# Altium PCB HIVE_BOARD - 10x10.PcbDoc (part 1 of 4) (continued)
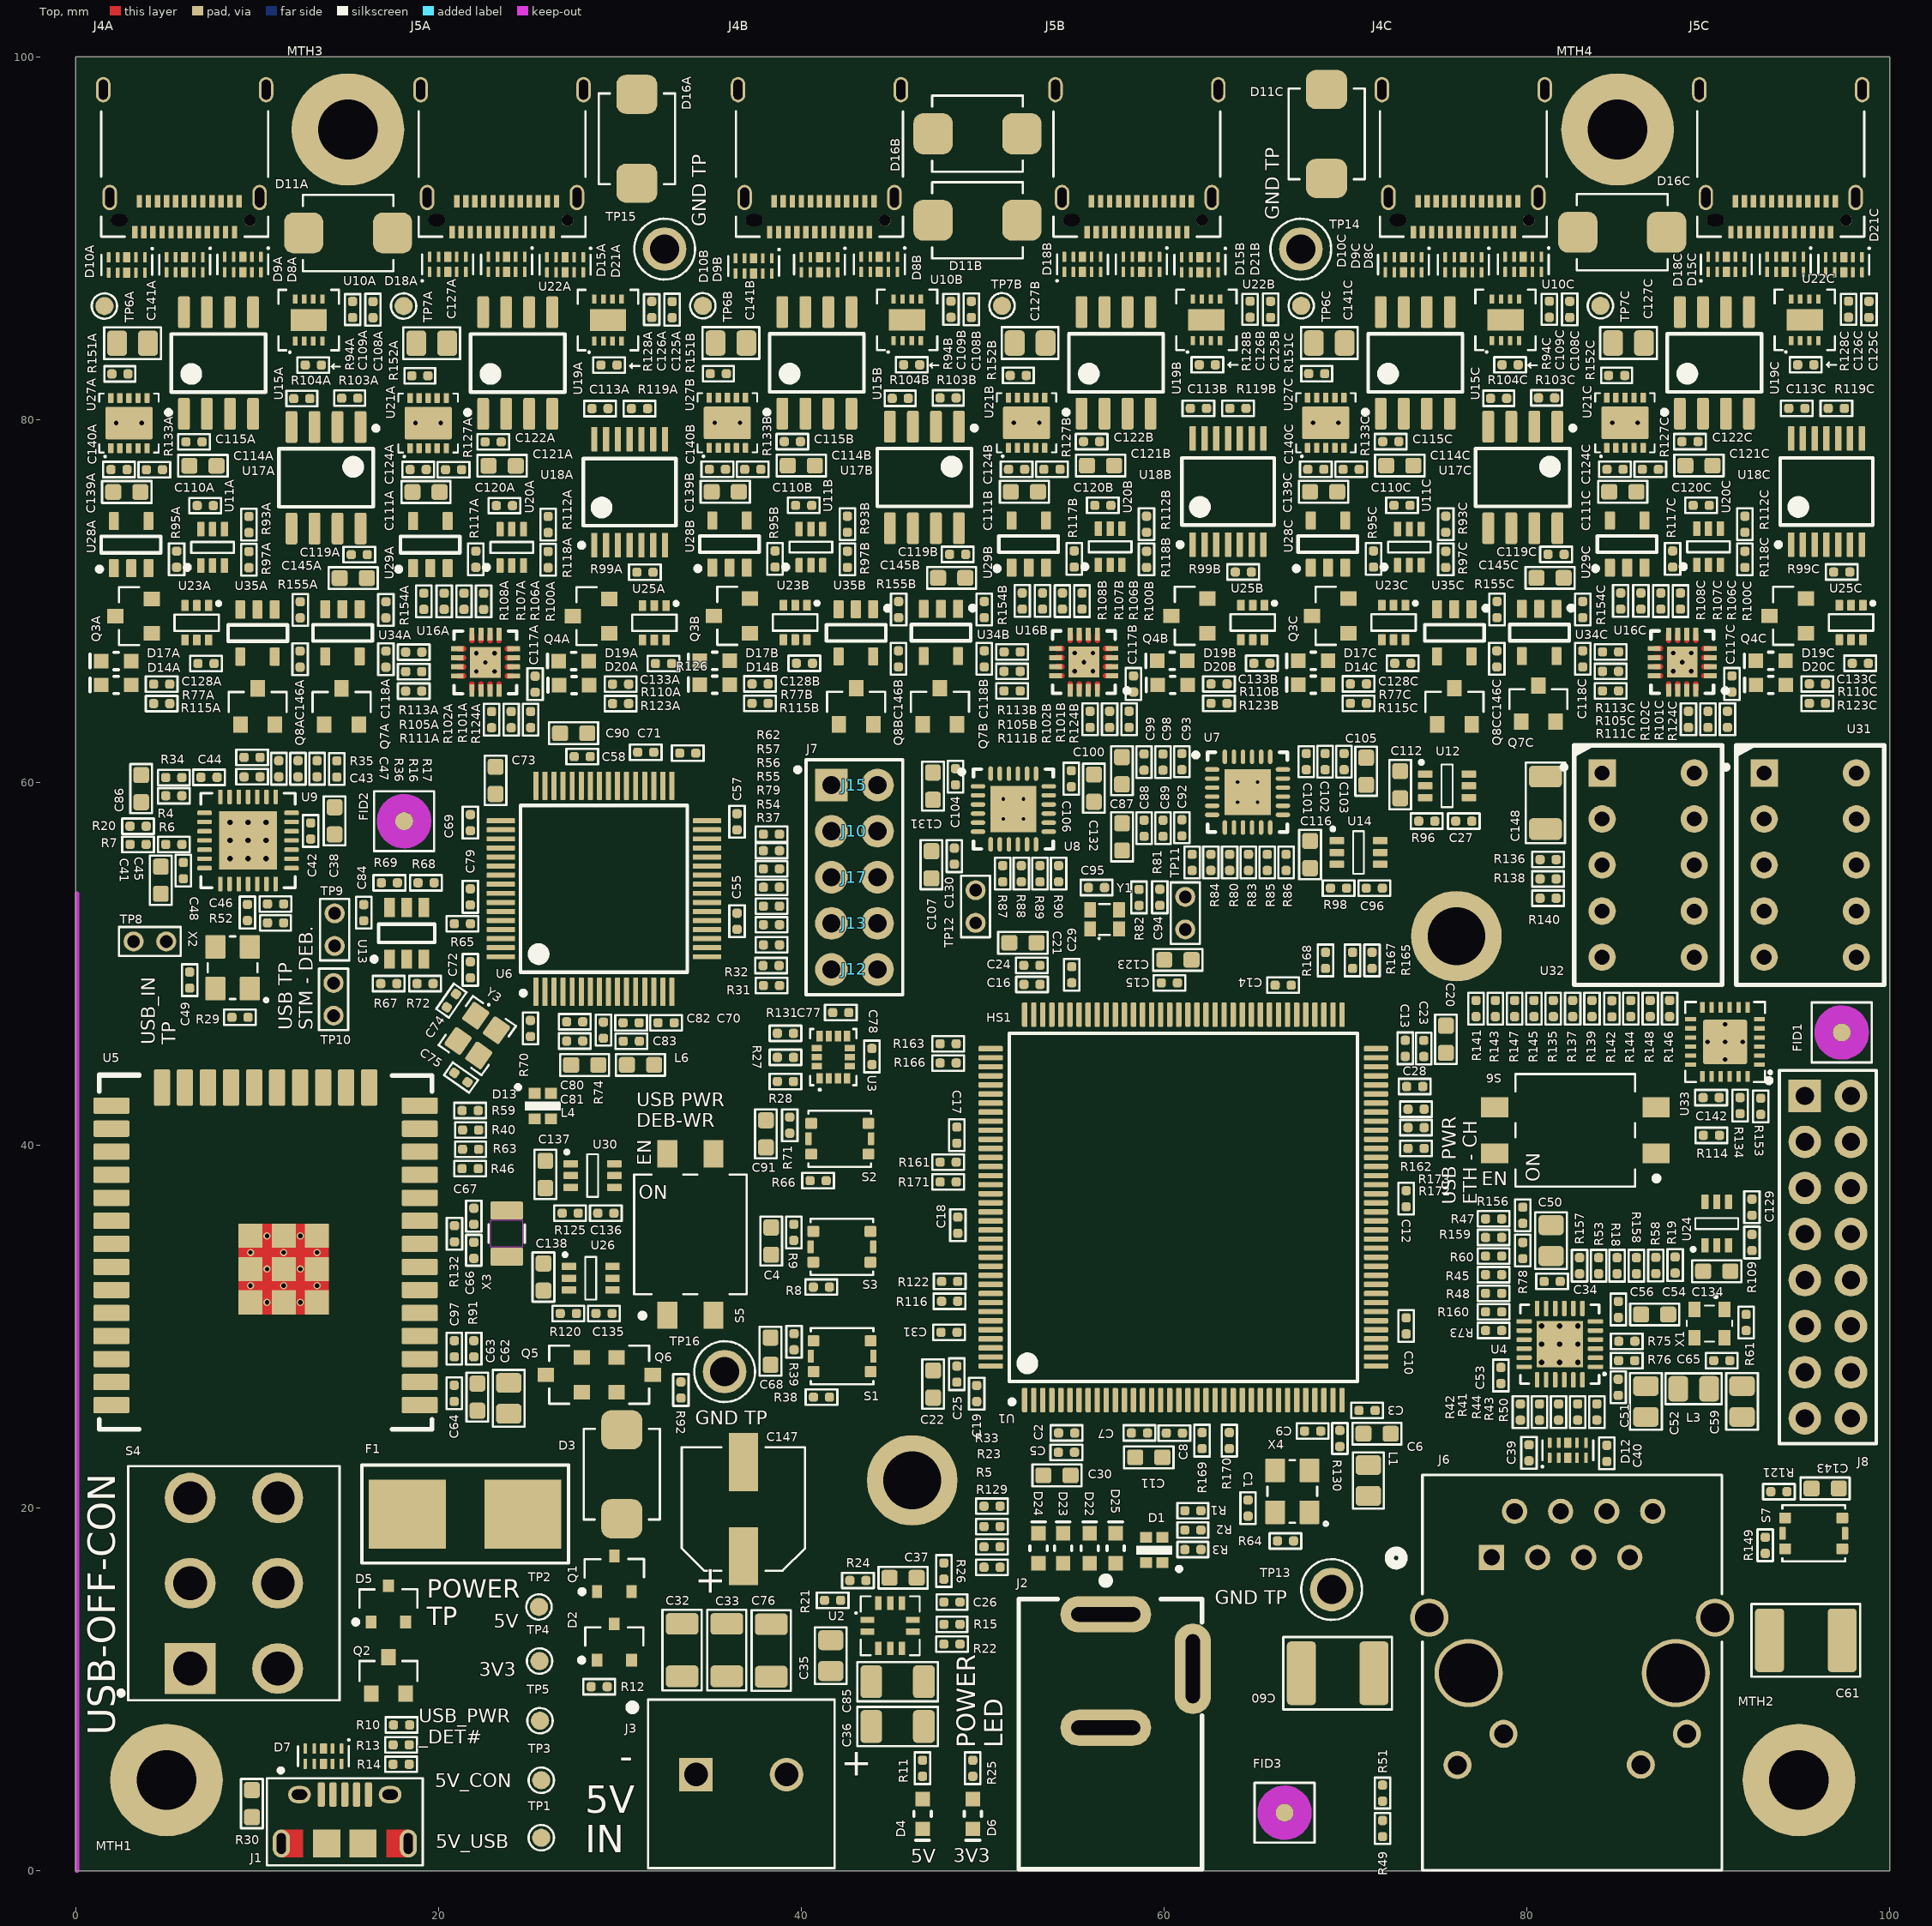
[diagram p0: Top view]
## Classes and differential pairs (continued)
differential pair CLK_1C: +CLK_1C_P -CLK_1C_N
differential pair CLK_1B: +CLK_1B_P -CLK_1B_N
differential pair CLK_1A: +CLK_1A_P -CLK_1A_N
differential pair CLK_0C: +CLK_0C_P -CLK_0C_N
differential pair CLK_0B: +CLK_0B_P -CLK_0B_N
differential pair CLK_0A: +CLK_0A_P -CLK_0A_N
differential pair BB_SPI_MOSI_1C: +BB_SPI_MOSI_1B_P -BB_SPI_MOSI_1B_N
differential pair BB_SPI_MOSI_1B: +BB_SPI_MOSI_1C_P -BB_SPI_MOSI_1C_N
differential pair BB_SPI_MOSI_1A: +BB_SPI_MOSI_1A_P -BB_SPI_MOSI_1A_N
differential pair BB_SPI_MOSI_0C: +BB_SPI_MOSI_0B_P -BB_SPI_MOSI_0B_N
differential pair BB_SPI_MOSI_0B: +BB_SPI_MOSI_0C_P -BB_SPI_MOSI_0C_N
differential pair BB_SPI_MOSI_0A: +BB_SPI_MOSI_0A_P -BB_SPI_MOSI_0A_N
differential pair BB_SPI_MISO_1C: +BB_SPI_MISO_1B_P -BB_SPI_MISO_1B_N
differential pair BB_SPI_MISO_1B: +BB_SPI_MISO_1C_P -BB_SPI_MISO_1C_N
differential pair BB_SPI_MISO_1A: +BB_SPI_MISO_1A_P -BB_SPI_MISO_1A_N
differential pair BB_SPI_MISO_0C: +BB_SPI_MISO_0B_P -BB_SPI_MISO_0B_N
differential pair BB_SPI_MISO_0B: +BB_SPI_MISO_0C_P -BB_SPI_MISO_0C_N
differential pair BB_SPI_MISO_0A: +BB_SPI_MISO_0A_P -BB_SPI_MISO_0A_N
differential pair BB_SPI_CLK_1C: +BB_SPI_CLK_1B_P -BB_SPI_CLK_1B_N
differential pair BB_SPI_CLK_1B: +BB_SPI_CLK_1C_P -BB_SPI_CLK_1C_N
differential pair BB_SPI_CLK_1A: +BB_SPI_CLK_1A_P -BB_SPI_CLK_1A_N
differential pair BB_SPI_CLK_0C: +BB_SPI_CLK_0B_P -BB_SPI_CLK_0B_N
differential pair BB_SPI_CLK_0B: +BB_SPI_CLK_0C_P -BB_SPI_CLK_0C_N
differential pair BB_SPI_CLK_0A: +BB_SPI_CLK_0A_P -BB_SPI_CLK_0A_N
differential pair BB_CLK_1C: +BB_CLK_1B_P -BB_CLK_1B_N
differential pair BB_CLK_1B: +BB_CLK_1C_P -BB_CLK_1C_N
differential pair BB_CLK_1A: +BB_CLK_1A_P -BB_CLK_1A_N
differential pair BB_CLK_0C: +BB_CLK_0B_P -BB_CLK_0B_N
differential pair BB_CLK_0B: +BB_CLK_0C_P -BB_CLK_0C_N
differential pair BB_CLK_0A: +BB_CLK_0A_P -BB_CLK_0A_N
differential pair 32K_X: +32K_X_P -32K_X_N

## Components (designator, comment, footprint, x,y, rotation, side; value= is the part's Value field where it differs from the comment)
C1 "CGA2B3X7R1E104K050BB" CAP_CER_0402#1 64.629,19.994 r270 top value=100nF
C2 "CGA2B3X7R1E104K050BB" CAP_CER_0402#1 54.627,24.136 r180 top value=100nF
C3 "CGA2B3X7R1E104K050BB" CAP_CER_0402#2 71.19,25.373 r180 top value=100nF
C4 "C0603C105K8PACTU" CAP_CER_0603#1 38.338,34.714 r90 top value=1uF
C5 "CGA2B3X7R1E104K050BB" CAP_CER_0402#1 54.614,23.069 r0 top value=100nF
C6 "C0603C105K8PACTU" CAP_CER_0603#2 71.74,24.096 r0 top value=1uF
C7 "CGA2B3X7R1E104K050BB" CAP_CER_0402#1 58.64,24.136 r0 top value=100nF
C8 "CGA2B3X7R1E104K050BB" CAP_CER_0402#1 60.567,24.131 r180 top value=100nF
C9 "CGA2B3X7R1E104K050BB" CAP_CER_0402#1 68.19,24.237 r0 top value=100nF
C10 "CGA2B3X7R1E104K050BB" CAP_CER_0402#1 73.347,30.041 r270 top value=100nF
C11 "CL10A475MA8NQNC" CAP_CER_0603#1 59.156,22.794 r180 top value=4.7uF
C12 "CGA2B3X7R1E104K050BB" CAP_CER_0402#1 73.347,37.052 r270 top value=100nF
C13 "CGA2B3X7R1E104K050BB" CAP_CER_0402#1 73.296,45.342 r90 top value=100nF
C14 "CGA2B3X7R1E104K050BB" CAP_CER_0402#2 66.565,48.825 r180 top value=100nF
C15 "CGA2B3X7R1E104K050BB" CAP_CER_0402#1 60.291,48.952 r0 top value=100nF
C16 "CGA2B3X7R1E104K050BB" CAP_CER_0402#1 52.715,48.866 r180 top value=100nF
C17 "CGA2B3X7R1E104K050BB" CAP_CER_0402#1 48.574,40.557 r90 top value=100nF
C18 "CGA2B3X7R1E104K050BB" CAP_CER_0402#1 48.625,35.591 r90 top value=100nF
C19 "CGA2B3X7R1E104K050BB" CAP_CER_0402#2 49.666,26.308 r270 top value=100nF
C20 "CL10A475MA8NQNC" CAP_CER_0603#1 75.538,45.842 r270 top value=4.7uF
C21 "CL10A475MA8NQNC" CAP_CER_0603#1 52.214,51.161 r0 top value=4.7uF
C22 "CL10A475MA8NQNC" CAP_CER_0603#1 47.267,26.833 r90 top value=4.7uF
C23 "CGA2B3X7R1E104K050BB" CAP_CER_0402#1 74.319,45.334 r270 top value=100nF
C24 "CGA2B3X7R1E104K050BB" CAP_CER_0402#1 52.709,49.917 r0 top value=100nF
C25 "CGA2B3X7R1E104K050BB" CAP_CER_0402#1 48.574,27.379 r90 top value=100nF
C26 "CL05C390JB51PNC" CAP_CER_0402#2 48.303,14.811 r0 top value=39pF
C27 "CGA2B3X7R1E104K050BB" CAP_CER_0402#1 76.521,57.871 r180 top value=100nF
C28 "C1005X5R1V225K050BC" CAP_CER_0402#1 73.817,43.237 r180 top value=2.2uF
C29 "C1005X5R1V225K050BC" CAP_CER_0402#1 54.91,49.4 r270 top value=2.2uF
C30 "C0603C105K8PACTU" CAP_CER_0603#1 54.093,21.799 r180 top value=1uF
C31 "C1005X5R1V225K050BC" CAP_CER_0402#1 48.142,29.686 r0 top value=2.2uF
C32 "CL31A226KAHNNNE" CAP_CER_1206#1 33.426,12.167 r90 top value=22uF
C33 "CL31A226KAHNNNE" CAP_CER_1206#1 35.89,12.167 r90 top value=22uF
C34 "CGA2B3X7R1E104K050BB" CAP_CER_0402#2 81.396,32.489 r0 top value=100nF
C35 "LMK212BJ106KG-T" CAP_CER_0805#1 41.618,11.859 r90 top value=10uF
C36 "CL31A226KAHNNNE" CAP_CER_1206#1 45.307,7.954 r0 top value=22uF
C37 "C0603C105K8PACTU" CAP_CER_0603#2 45.608,16.154 r0 top value=1uF
C38 "C0603C105K8PACTU" CAP_CER_0603#2 14.266,57.886 r90 top value=1uF
C39 "CGA2B3X7R1E104K050BB" CAP_CER_0402#2 80.117,23.041 r90 top value=100nF
C40 "CGA2B3X7R1E104K050BB" CAP_CER_0402#2 84.41,23.009 r90 top value=100nF
C41 "CL10A475KP8NNNC" CAP_CER_0603#2 4.686,54.61 r90 top value=4.7uF
C42 "CGA2B3X7R1E104K050BB" CAP_CER_0402#2 12.947,57.325 r270 top value=100nF
C43 "CGA2B3X7R1E104K050BB" CAP_CER_0402#2 9.715,60.312 r0 top value=100nF
C44 "CGA2B3X7R1E104K050BB" CAP_CER_0402#2 7.34,60.287 r0 top value=100nF
C45 "CGA2B3X7R1E104K050BB" CAP_CER_0402#2 5.927,55.141 r90 top value=100nF
C46 "CGA2B3X7R1E104K050BB" CAP_CER_0402#2 11.01,53.302 r180 top value=100nF
C47 "CGA2B3X7R1E104K050BB" CAP_CER_0402#2 11.188,60.757 r270 top value=100nF
C48 "CGA2B3X7R1E104K050BB" CAP_CER_0402#2 9.461,52.832 r90 top value=100nF
C49 "CGA2B3X7R1E104K050BB" CAP_CER_0402#2 6.274,49.103 r270 top value=100nF
C50 "LMK212BJ106KG-T" CAP_CER_0805#1 81.336,34.742 r270 top value=10uF
C51 "CGA2B3X7R1E104K050BB" CAP_CER_0402#2 85.039,26.653 r270 top value=100nF
C52 "LMK212BJ106KG-T" CAP_CER_0805#1 86.565,25.872 r270 top value=10uF
C53 "CGA2B3X7R1E104K050BB" CAP_CER_0402#2 78.566,27.305 r90 top value=100nF
C54 "C0603C105K8PACTU" CAP_CER_0603#2 87.046,30.67 r180 top value=1uF
C55 "CGA2B3X7R1E104K050BB" CAP_CER_0402#2 36.454,52.349 r90 top value=100nF
C56 "CC0402KRX7R9BB471" CAP_CER_0402#2 85.046,30.945 r270 top value=470pF
C57 "CGA2B3X7R1E104K050BB" CAP_CER_0402#2 36.45,57.834 r90 top value=100nF
C58 "CGA2B3X7R1E104K050BB" CAP_CER_0402#2 27.919,61.425 r180 top value=100nF
C59 "LMK212BJ106KG-T" CAP_CER_0805#1 91.866,25.871 r90 top value=10uF
C60 "885342211009" CAP_CER_1812 69.571,10.887 r180 top value=1nF
C61 "885342211009" CAP_CER_1812 95.385,12.706 r0 top value=1nF
C62 "LMK212BJ106KG-T" CAP_CER_0805#1 23.87,26.045 r90 top value=10uF
C63 "C0603C105K8PACTU" CAP_CER_0603#2 22.136,26.11 r270 top value=1uF
C64 "CGA2B3X7R1E104K050BB" CAP_CER_0402#2 20.859,26.32 r90 top value=100nF
C65 "GRM155R71E473KA88J" CAP_CER_0402#2 90.749,28.125 r0 top value=47nF
C66 "CC0402DRNPO9BN8R0" CAP_CER_0402#2 21.942,34.205 r90 top value=8pF
C67 "CC0402DRNPO9BN8R0" CAP_CER_0402#2 21.942,36.085 r270 top value=8pF
C68 "C0603C105K8PACTU" CAP_CER_0603#2 38.302,28.643 r90 top value=1uF
C69 "CGA2B3X7R1E104K050BB" CAP_CER_0402#2 21.751,57.787 r90 top value=100nF
C70 "CGA2B3X7R1E104K050BB" CAP_CER_0402#2 32.542,46.753 r0 top value=100nF
C71 "CGA2B3X7R1E104K050BB" CAP_CER_0402#2 31.419,61.671 r0 top value=100nF
C72 "CGA2B3X7R1E104K050BB" CAP_CER_0402#2 21.751,49.671 r270 top value=100nF
C73 "C1608X5R1C335K080AC" CAP_CER_0603#2 23.139,60.115 r270 top value=3.3uF
C74 "CC0402JRNPO9BN120" CAP_CER_0402#2 20.705,47.972 r55 top value=12pF
C75 "CC0402JRNPO9BN120" CAP_CER_0402#2 21.232,43.732 r325 top value=12pF
C76 "CL31A226KAHNNNE" CAP_CER_1206#1 38.339,12.142 r90 top value=22uF
C77 "CGA2B3X7R1E104K050BB" CAP_CER_0402#1 42.173,47.311 r180 top value=100nF
C78 "CGA2B3X7R1E104K050BB" CAP_CER_0402#1 43.893,44.893 r90 top value=100nF
C79 "CGA2B3X7R1E104K050BB" CAP_CER_0402#2 21.747,53.692 r270 top value=100nF
C80 "CGA2B3X7R1E104K050BB" CAP_CER_0402#2 27.504,46.805 r0 top value=100nF
C81 "JMK105B7474KVHF" CAP_CER_0402#2 27.504,45.745 r180 top value=470nF
C82 "CGA2B3X7R1E104K050BB" CAP_CER_0402#2 30.612,46.753 r0 top value=100nF
C83 "JMK105B7474KVHF" CAP_CER_0402#2 30.625,45.737 r180 top value=470nF
C84 "CGA2B3X7R1E104K050BB" CAP_CER_0402#2 15.873,52.821 r270 top value=100nF
C85 "CL31A226KAHNNNE" CAP_CER_1206#1 45.307,10.419 r0 top value=22uF
C86 "C0603C105K8PACTU" CAP_CER_0603#2 3.602,59.662 r90 top value=1uF
C87 "C0603C105K8PACTU" CAP_CER_0603#2 57.68,57.001 r270 top value=1uF
C88 "GRM155R71E473KA88J" CAP_CER_0402#2 58.897,57.476 r90 top value=47nF
C89 "GRM155R71E473KA88J" CAP_CER_0402#2 59.94,57.476 r90 top value=47nF
C90 "C0603C105K8PACTU" CAP_CER_0603#2 27.445,62.714 r180 top value=1uF
C91 "C0603C105K8PACTU" CAP_CER_0603#2 38.048,40.626 r90 top value=1uF
C92 "CL05B472KB5VPNC" CAP_CER_0402#2 60.982,57.501 r90 top value=4.7nF
C93 "CL05B472KB5VPNC" CAP_CER_0402#2 60.978,61.15 r90 top value=4.7nF
C94 "CGA2B3X7R1E104K050BB" CAP_CER_0402#2 59.766,53.669 r90 top value=100nF
C95 "CGA2B3X7R1E104K050BB" CAP_CER_0402#2 56.272,54.205 r180 top value=100nF
C96 "CGA2B3X7R1E104K050BB" CAP_CER_0402#1 71.591,54.174 r180 top value=100nF
C97 "CGA2B3X7R1E104K050BB" CAP_CER_0402#2 20.866,28.778 r270 top value=100nF
C98 "GRM155R71E473KA88J" CAP_CER_0402#2 59.936,61.125 r90 top value=47nF
C99 "GRM155R71E473KA88J" CAP_CER_0402#2 58.893,61.125 r90 top value=47nF
C100 "C0603C105K8PACTU" CAP_CER_0603#2 57.676,60.65 r270 top value=1uF
C101 "CL05B472KB5VPNC" CAP_CER_0402#2 67.839,61.15 r90 top value=4.7nF
C102 "GRM155R71E473KA88J" CAP_CER_0402#2 68.881,61.15 r90 top value=47nF
C103 "GRM155R71E473KA88J" CAP_CER_0402#2 69.924,61.15 r90 top value=47nF
C104 "CGA2B3X7R1E104K050BB" CAP_CER_0402#1 48.5,60.317 r90 top value=100nF
C105 "C0603C105K8PACTU" CAP_CER_0603#2 71.141,60.617 r270 top value=1uF
C106 "CGA2B3X7R1E104K050BB" CAP_CER_0402#1 54.885,60.208 r90 top value=100nF
C107 "C0603C105K8PACTU" CAP_CER_0603#1 47.173,55.463 r270 top value=1uF
C108A "GRM155R71E473KA88J" CAP_CER_0402#2 16.38,86.071 r90 top value=47nF (schematic designator C108)
C108B "GRM155R71E473KA88J" CAP_CER_0402#2 49.373,86.084 r90 top value=47nF (schematic designator C108)
C108C "GRM155R71E473KA88J" CAP_CER_0402#2 82.366,86.084 r90 top value=47nF (schematic designator C108)
C109A "CL05B472KB5VPNC" CAP_CER_0402#2 15.255,86.078 r90 top value=4.7nF (schematic designator C109)
C109B "CL05B472KB5VPNC" CAP_CER_0402#2 48.248,86.091 r90 top value=4.7nF (schematic designator C109)
C109C "CL05B472KB5VPNC" CAP_CER_0402#2 81.241,86.091 r90 top value=4.7nF (schematic designator C109)
C110A "CGA2B3X7R1E104K050BB" CAP_CER_0402#2 7.132,75.267 r180 top value=100nF (schematic designator C110)
C110B "CGA2B3X7R1E104K050BB" CAP_CER_0402#2 40.125,75.28 r180 top value=100nF (schematic designator C110)
C110C "CGA2B3X7R1E104K050BB" CAP_CER_0402#2 73.118,75.28 r180 top value=100nF (schematic designator C110)
C111A "CL10A475KP8NNNC" CAP_CER_0603#2 19.305,76.016 r0 top value=4.7uF (schematic designator C111)
C111B "CL10A475KP8NNNC" CAP_CER_0603#2 52.298,76.029 r0 top value=4.7uF (schematic designator C111)
C111C "CL10A475KP8NNNC" CAP_CER_0603#2 85.291,76.029 r0 top value=4.7uF (schematic designator C111)
C112 "CL10A475KP8NNNC" CAP_CER_0603#1 73.016,59.877 r270 top value=4.7uF
C113A "CGA2B3X7R1E104K050BB" CAP_CER_0402#2 28.899,80.617 r180 top value=100nF (schematic designator C113)
C113B "CGA2B3X7R1E104K050BB" CAP_CER_0402#2 61.892,80.63 r180 top value=100nF (schematic designator C113)
C113C "CGA2B3X7R1E104K050BB" CAP_CER_0402#2 94.885,80.63 r180 top value=100nF (schematic designator C113)
C114A "CL10A475KP8NNNC" CAP_CER_0603#2 7.007,77.461 r0 top value=4.7uF (schematic designator C114)
C114B "CL10A475KP8NNNC" CAP_CER_0603#2 40,77.475 r0 top value=4.7uF (schematic designator C114)
C114C "CL10A475KP8NNNC" CAP_CER_0603#2 72.993,77.475 r0 top value=4.7uF (schematic designator C114)
C115A "JMK105B7474KVHF" CAP_CER_0402#2 6.512,78.782 r0 top value=470nF (schematic designator C115)
C115B "JMK105B7474KVHF" CAP_CER_0402#2 39.505,78.796 r0 top value=470nF (schematic designator C115)
C115C "JMK105B7474KVHF" CAP_CER_0402#2 72.498,78.796 r0 top value=470nF (schematic designator C115)
C116 "CL10A475KP8NNNC" CAP_CER_0603#1 68.049,56.027 r270 top value=4.7uF
C117A "CGA2B3X7R1E104K050BB" CAP_CER_0402#2 25.323,65.419 r90 top value=100nF (schematic designator C117)
C117B "CGA2B3X7R1E104K050BB" CAP_CER_0402#2 58.316,65.432 r90 top value=100nF (schematic designator C117)
C117C "CGA2B3X7R1E104K050BB" CAP_CER_0402#2 91.309,65.432 r90 top value=100nF (schematic designator C117)
C118A "JMK105B7474KVHF" CAP_CER_0402#1 17.094,66.802 r90 top value=470nF (schematic designator C118)
C118B "JMK105B7474KVHF" CAP_CER_0402#1 50.087,66.815 r90 top value=470nF (schematic designator C118)
C118C "JMK105B7474KVHF" CAP_CER_0402#1 83.08,66.815 r90 top value=470nF (schematic designator C118)
C119A "JMK105B7474KVHF" CAP_CER_0402#2 15.625,72.563 r180 top value=470nF (schematic designator C119)
C119B "JMK105B7474KVHF" CAP_CER_0402#2 48.618,72.577 r180 top value=470nF (schematic designator C119)
C119C "JMK105B7474KVHF" CAP_CER_0402#2 81.611,72.577 r180 top value=470nF (schematic designator C119)
C120A "CGA2B3X7R1E104K050BB" CAP_CER_0402#2 23.628,75.267 r180 top value=100nF (schematic designator C120)
C120B "CGA2B3X7R1E104K050BB" CAP_CER_0402#2 56.621,75.28 r180 top value=100nF (schematic designator C120)
C120C "CGA2B3X7R1E104K050BB" CAP_CER_0402#2 89.614,75.28 r180 top value=100nF (schematic designator C120)
C121A "CL10A475KP8NNNC" CAP_CER_0603#2 23.503,77.461 r0 top value=4.7uF (schematic designator C121)
C121B "CL10A475KP8NNNC" CAP_CER_0603#2 56.496,77.475 r0 top value=4.7uF (schematic designator C121)
C121C "CL10A475KP8NNNC" CAP_CER_0603#2 89.489,77.475 r0 top value=4.7uF (schematic designator C121)
C122A "JMK105B7474KVHF" CAP_CER_0402#2 23.008,78.782 r0 top value=470nF (schematic designator C122)
C122B "JMK105B7474KVHF" CAP_CER_0402#2 56.001,78.796 r0 top value=470nF (schematic designator C122)
C122C "JMK105B7474KVHF" CAP_CER_0402#2 88.994,78.796 r0 top value=470nF (schematic designator C122)
C123 "CL10A475MA8NQNC" CAP_CER_0603#1 60.761,50.222 r0 top value=4.7uF
C124A "CGA2B3X7R1E104K050BB" CAP_CER_0402#2 18.875,77.253 r180 top value=100nF (schematic designator C124)
C124B "CGA2B3X7R1E104K050BB" CAP_CER_0402#2 51.868,77.267 r180 top value=100nF (schematic designator C124)
C124C "CGA2B3X7R1E104K050BB" CAP_CER_0402#2 84.861,77.267 r180 top value=100nF (schematic designator C124)
C125A "GRM155R71E473KA88J" CAP_CER_0402#2 32.876,86.071 r90 top value=47nF (schematic designator C125)
C125B "GRM155R71E473KA88J" CAP_CER_0402#2 65.869,86.084 r90 top value=47nF (schematic designator C125)
C125C "GRM155R71E473KA88J" CAP_CER_0402#2 98.862,86.084 r90 top value=47nF (schematic designator C125)
C126A "CL05B472KB5VPNC" CAP_CER_0402#2 31.751,86.078 r90 top value=4.7nF (schematic designator C126)
C126B "CL05B472KB5VPNC" CAP_CER_0402#2 64.744,86.091 r90 top value=4.7nF (schematic designator C126)
C126C "CL05B472KB5VPNC" CAP_CER_0402#2 97.737,86.091 r90 top value=4.7nF (schematic designator C126)
C127A "LMK212BJ106KG-T" CAP_CER_0805#1 19.62,84.217 r180 top value=10uF (schematic designator C127)
C127B "LMK212BJ106KG-T" CAP_CER_0805#2 52.613,84.231 r180 top value=10uF (schematic designator C127)
C127C "LMK212BJ106KG-T" CAP_CER_0805#2 85.606,84.231 r180 top value=10uF (schematic designator C127)
C128A "CGA2B3X7R1E104K050BB" CAP_CER_0402#1 7.174,66.558 r180 top value=100nF (schematic designator C128)
C128B "CGA2B3X7R1E104K050BB" CAP_CER_0402#1 40.167,66.572 r180 top value=100nF (schematic designator C128)
C128C "CGA2B3X7R1E104K050BB" CAP_CER_0402#1 73.16,66.572 r180 top value=100nF (schematic designator C128)
C129 "CGA2B3X7R1E104K050BB" CAP_CER_0402#1 92.412,36.582 r270 top value=100nF
C130 "CGA2B3X7R1E104K050BB" CAP_CER_0402#1 48.435,55.937 r90 top value=100nF
C131 "C0603C105K8PACTU" CAP_CER_0603#1 47.255,59.796 r270 top value=1uF
C132 "C0603C105K8PACTU" CAP_CER_0603#1 56.13,59.687 r270 top value=1uF
C133A "CGA2B3X7R1E104K050BB" CAP_CER_0402#1 32.399,66.557 r180 top value=100nF (schematic designator C133)
C133B "CGA2B3X7R1E104K050BB" CAP_CER_0402#1 65.392,66.571 r180 top value=100nF (schematic designator C133)
C133C "CGA2B3X7R1E104K050BB" CAP_CER_0402#1 98.385,66.571 r180 top value=100nF (schematic designator C133)
C134 "CL10A475KP8NNNC" CAP_CER_0603#1 90.472,33.054 r0 top value=4.7uF
C135 "CGA2B3X7R1E104K050BB" CAP_CER_0402#1 29.12,30.725 r180 top value=100nF
C136 "CGA2B3X7R1E104K050BB" CAP_CER_0402#1 29.221,36.254 r180 top value=100nF
C137 "CL10A475KP8NNNC" CAP_CER_0603#1 25.883,38.388 r270 top value=4.7uF
C138 "CL10A475KP8NNNC" CAP_CER_0603#1 25.782,32.732 r270 top value=4.7uF
C139A "CL10A475KP8NNNC" CAP_CER_0603#2 2.809,76.016 r0 top value=4.7uF (schematic designator C139)
C139B "CL10A475KP8NNNC" CAP_CER_0603#1 35.802,76.029 r0 top value=4.7uF (schematic designator C139)
C139C "CL10A475KP8NNNC" CAP_CER_0603#1 68.795,76.029 r0 top value=4.7uF (schematic designator C139)
C140A "CGA2B3X7R1E104K050BB" CAP_CER_0402#2 2.379,77.253 r180 top value=100nF (schematic designator C140)
C140B "CGA2B3X7R1E104K050BB" CAP_CER_0402#1 35.372,77.267 r180 top value=100nF (schematic designator C140)
C140C "CGA2B3X7R1E104K050BB" CAP_CER_0402#1 68.365,77.267 r180 top value=100nF (schematic designator C140)
C141A "LMK212BJ106KG-T" CAP_CER_0805#1 3.124,84.217 r180 top value=10uF (schematic designator C141)
C141B "LMK212BJ106KG-T" CAP_CER_0805#2 36.117,84.231 r180 top value=10uF (schematic designator C141)
C141C "LMK212BJ106KG-T" CAP_CER_0805#2 69.11,84.231 r180 top value=10uF (schematic designator C141)
C142 "CGA2B3X7R1E104K050BB" CAP_CER_0402#1 90.16,42.628 r180 top value=100nF
C143 "C0603C105K8PACTU" CAP_CER_0603#1 96.448,21.077 r0 top value=1uF
C145A "CL10A475KP8NNNC" CAP_CER_0603#1 15.293,71.269 r180 top value=4.7uF (schematic designator C145)
C145B "CL10A475KP8NNNC" CAP_CER_0603#1 48.286,71.282 r180 top value=4.7uF (schematic designator C145)
C145C "CL10A475KP8NNNC" CAP_CER_0603#1 81.279,71.282 r180 top value=4.7uF (schematic designator C145)
C146A "JMK105B7474KVHF" CAP_CER_0402#1 12.361,66.802 r90 top value=470nF (schematic designator C146)
C146B "JMK105B7474KVHF" CAP_CER_0402#1 45.354,66.815 r90 top value=470nF (schematic designator C146)
C146C "JMK105B7474KVHF" CAP_CER_0402#1 78.347,66.815 r90 top value=470nF (schematic designator C146)
C147 "APXG160ARA221MF80G" CAP_POLY_APXG160ARA221MF80G 36.805,19.939 r90 top value=220uF
C148 "CL31A226KAHNNNE" CAP_CER_1206#2 81.026,58.882 r90 top value=22uF
D1 "EAST1616RGBA3" DIO_EAST1616RGBA3#1 59.455,17.681 r270 top value=24MHz
D2 "BZX84-B4V3,215" DIO_ZENER_BZX84-B4V3,215#1 29.686,12.61 r90 top value=4.3V
D3 "SMBJ5.0A" TVS_PWR_SMBJ5.0CA 30.101,21.859 r90 top value="Vbr = 6.4V -  Clamp = 9.2V"
D4 "SML-D12P8WT86" LED_SML-D12P8WT86#1 46.684,3.133 r90 top value="560 nm (green)"
D5 "BZX84-B4V3,215" DIO_ZENER_BZX84-B4V3,215#2 17.233,14.712 r90 top value=4.3V
D6 "SML-D12P8WT86" LED_SML-D12P8WT86#1 49.455,3.133 r90 top value="560 nm (green)"
D7 "DT1140-04LP-7" TVS_DATA_DT1140-04LP-7 13.648,6.314 r270 top value="5.5V @ 1mA (Reverse Standoff)"
D8A "DT1140-04LP-7" TVS_DATA_DT1140-04LP-7 9.204,88.559 r270 top value="5.5V @ 1mA (Reverse Standoff)" (schematic designator D8)
D8B "DT1140-04LP-7" TVS_DATA_DT1140-04LP-7 44.3,88.564 r270 top value="5.5V @ 1mA (Reverse Standoff)" (schematic designator D8)
D8C "DT1140-04LP-7" TVS_DATA_DT1140-04LP-7 79.8,88.563 r270 top value="5.5V @ 1mA (Reverse Standoff)" (schematic designator D8)
D9A "DT1140-04LP-7" TVS_DATA_DT1140-04LP-7 6,88.549 r270 top value="5.5V @ 1mA (Reverse Standoff)" (schematic designator D9)
D9B "DT1140-04LP-7" TVS_DATA_DT1140-04LP-7 41,88.549 r270 top value="5.5V @ 1mA (Reverse Standoff)" (schematic designator D9)
D9C "DT1140-04LP-7" TVS_DATA_DT1140-04LP-7 76.5,88.549 r270 top value="5.5V @ 1mA (Reverse Standoff)" (schematic designator D9)
D10A "DT1140-04LP-7" TVS_DATA_DT1140-04LP-7 2.81,88.533 r270 top value="5.5V @ 1mA (Reverse Standoff)" (schematic designator D10)
D10B "DT1140-04LP-7" TVS_DATA_DT1140-04LP-7 37.37,88.481 r270 top value="5.5V @ 1mA (Reverse Standoff)" (schematic designator D10)
D10C "DT1140-04LP-7" TVS_DATA_DT1140-04LP-7 73.2,88.549 r270 top value="5.5V @ 1mA (Reverse Standoff)" (schematic designator D10)
D11A "SMBJ5.0CA" TVS_PWR_SMBJ5.0CA 15.011,90.297 r0 top value="Vbr = 6.4V -  Clamp = 9.2V" (schematic designator D11)
D11B "SMBJ5.0CA" TVS_PWR_SMBJ5.0CA 49.71,91 r180 top value="Vbr = 6.4V -  Clamp = 9.2V" (schematic designator D11)
D11C "SMBJ5.0CA" TVS_PWR_SMBJ5.0CA 68.961,95.758 r90 top value="Vbr = 6.4V -  Clamp = 9.2V" (schematic designator D11)
D12 "DT1140-04LP-7" TVS_DATA_DT1140-04LP-7 82.26,23.183 r90 top value="5.5V @ 1mA (Reverse Standoff)"
D13 "EAST1616RGBA3" DIO_EAST1616RGBA3#2 25.748,42.159 r90 top value=24MHz
D14A "SML-D12U8WT86" LED_SML-D12U8WT86#1 2.23,65.379 r0 top value="620 nm (red)" (schematic designator D14)
D14B "SML-D12U8WT86" LED_SML-D12U8WT86#1 35.223,65.393 r0 top value="620 nm (red)" (schematic designator D14)
D14C "SML-D12U8WT86" LED_SML-D12U8WT86#1 68.217,65.393 r0 top value="620 nm (red)" (schematic designator D14)
D15A "DT1140-04LP-7" TVS_DATA_DT1140-04LP-7 23.748,88.563 r270 top value="5.5V @ 1mA (Reverse Standoff)" (schematic designator D15)
D15B "DT1140-04LP-7" TVS_DATA_DT1140-04LP-7 58.749,88.564 r270 top value="5.5V @ 1mA (Reverse Standoff)" (schematic designator D15)
D15C "DT1140-04LP-7" TVS_DATA_DT1140-04LP-7 94.249,88.563 r270 top value="5.5V @ 1mA (Reverse Standoff)" (schematic designator D15)
D16A "SMBJ5.0CA" TVS_PWR_SMBJ5.0CA 30.932,95.492 r90 top value="Vbr = 6.4V -  Clamp = 9.2V" (schematic designator D16)
D16B "SMBJ5.0CA" TVS_PWR_SMBJ5.0CA 49.71,95.768 r180 top value="Vbr = 6.4V -  Clamp = 9.2V" (schematic designator D16)
D16C "SMBJ5.0CA" TVS_PWR_SMBJ5.0CA 85.26,90.34 r180 top value="Vbr = 6.4V -  Clamp = 9.2V" (schematic designator D16)
D17A "SML-D12P8WT86" LED_SML-D12P8WT86#2 2.23,66.696 r0 top value="560 nm (green)" (schematic designator D17)
D17B "SML-D12P8WT86" LED_SML-D12P8WT86#2 35.223,66.709 r0 top value="560 nm (green)" (schematic designator D17)
D17C "SML-D12P8WT86" LED_SML-D12P8WT86#2 68.217,66.709 r0 top value="560 nm (green)" (schematic designator D17)
D18A "DT1140-04LP-7" TVS_DATA_DT1140-04LP-7 20.5,88.563 r90 top value="5.5V @ 1mA (Reverse Standoff)" (schematic designator D18)
D18B "DT1140-04LP-7" TVS_DATA_DT1140-04LP-7 55.5,88.564 r90 top value="5.5V @ 1mA (Reverse Standoff)" (schematic designator D18)
D18C "DT1140-04LP-7" TVS_DATA_DT1140-04LP-7 91,88.563 r90 top value="5.5V @ 1mA (Reverse Standoff)" (schematic designator D18)
D19A "SML-D12P8WT86" LED_SML-D12P8WT86#1 27.455,66.695 r0 top value="560 nm (green)" (schematic designator D19)
D19B "SML-D12P8WT86" LED_SML-D12P8WT86#2 60.448,66.708 r0 top value="560 nm (green)" (schematic designator D19)
D19C "SML-D12P8WT86" LED_SML-D12P8WT86#2 93.441,66.708 r0 top value="560 nm (green)" (schematic designator D19)
D20A "SML-D12U8WT86" LED_SML-D12U8WT86#1 27.474,65.364 r0 top value="620 nm (red)" (schematic designator D20)
D20B "SML-D12U8WT86" LED_SML-D12U8WT86#2 60.467,65.377 r0 top value="620 nm (red)" (schematic designator D20)
D20C "SML-D12U8WT86" LED_SML-D12U8WT86#2 93.46,65.377 r0 top value="620 nm (red)" (schematic designator D20)
D21A "DT1140-04LP-7" TVS_DATA_DT1140-04LP-7 26.974,88.549 r270 top value="5.5V @ 1mA (Reverse Standoff)" (schematic designator D21)
D21B "DT1140-04LP-7" TVS_DATA_DT1140-04LP-7 61.975,88.549 r270 top value="5.5V @ 1mA (Reverse Standoff)" (schematic designator D21)
D21C "DT1140-04LP-7" TVS_DATA_DT1140-04LP-7 97.474,88.549 r270 top value="5.5V @ 1mA (Reverse Standoff)" (schematic designator D21)
D22 "SML-D12P8WT86" LED_SML-D12P8WT86#2 55.897,17.78 r270 top value="560 nm (green)"
D23 "SML-D12P8WT86" LED_SML-D12P8WT86#2 54.432,17.78 r270 top value="560 nm (green)"
D24 "SML-D12P8WT86" LED_SML-D12P8WT86#2 53.081,17.78 r270 top value="560 nm (green)"
D25 "SML-D12P8WT86" LED_SML-D12P8WT86#2 57.327,17.78 r270 top value="560 nm (green)"
F1 "0154004.DR" FUS_0154XXX.DR 21.465,19.664 r0 top value="4A 125V AC/DC FAST"
FID1 "FID 1MM" FID_CIRCLE_1MM 97.362,46.218 r0 top
FID2 "FID 1MM" FID_CIRCLE_1MM 18.099,57.866 r0 top
FID3 "FID 1MM" FID_CIRCLE_1MM 66.643,3.2 r0 top
HS1 "ATS-CPX025025015-138-C2-R0" THE_HS_ATS-CPX025025015-138-C2-R0 61.115,36.524 r0 top locked
J1 "10118194-0001LF" CON_USB_10118194-0001LF 14.828,1.498 r0 top value="USB - Micro B"
J2 "54-00166" CON_PWR_PJ-002A 56.785,7.885 r270 top value="2.10mm ID (0.083\"), 5.50mm OD (0.217\")"
J3 "1935161" "CON_ 1935161" 34.188,5.297 r0 top
J4A "12401598E4#2A" CON_USB_3.2_TypeC_12401598E4#2A 6,91 r180 top value="USB 3.2 Type C" (schematic designator J4)
J4B "12401598E4#2A" CON_USB_3.2_TypeC_12401598E4#2A 41,91 r180 top value="USB 3.2 Type C" (schematic designator J4)
J4C "12401598E4#2A" CON_USB_3.2_TypeC_12401598E4#2A 76.5,91 r180 top value="USB 3.2 Type C" (schematic designator J4)
J5A "12401598E4#2A" CON_USB_3.2_TypeC_12401598E4#2A 23.5,91 r180 top value="USB 3.2 Type C" (schematic designator J5)
J5B "12401598E4#2A" CON_USB_3.2_TypeC_12401598E4#2A 58.5,91 r180 top value="USB 3.2 Type C" (schematic designator J5)
J5C "12401598E4#2A" CON_USB_3.2_TypeC_12401598E4#2A 94,91 r180 top value="USB 3.2 Type C" (schematic designator J5)
J6 "J1B1211CCD" CON_ETH_J1B1211CCD_WIZ 78.69,13.484 r0 top
J7 "PREC005DAAN-RC" CON_HDR_PREC009DAAN-RC 42.929,54.773 r0 top value=5x2
J8 "PREC008DAAN-RC" CON_HDR_PREC008DAAN-RC 96.596,33.833 r0 top value=8x2
J10 "SNT-100-BK-T-H" CON_JMP_SNT-100-BK-T-H 42.929,57.313 r180 top
J12 "SNT-100-BK-T-H" CON_JMP_SNT-100-BK-T-H 42.929,49.693 r180 top
J13 "SNT-100-BK-T-H" CON_JMP_SNT-100-BK-T-H 42.929,52.233 r180 top
J15 "SNT-100-BK-T-H" CON_JMP_SNT-100-BK-T-H 42.929,59.853 r180 top
J17 "SNT-100-BK-T-H" CON_JMP_SNT-100-BK-T-H 42.929,54.773 r180 top
L1 "MMZ2012Y202BT000" FER_0805#1 71.26,21.517 r90 top value="2k @ 100MHz"
L3 "MMZ2012Y202BT000" FER_0805#2 89.199,26.572 r180 top value="2k @ 100MHz"
L4 "BLM18HE152SN1D" FER_0603 28.054,44.423 r180 top value="1K5 @ 100MHz"
L6 "BLM18HE152SN1D" FER_0603 31.132,44.43 r180 top value="1K5 @ 100MHz"
MTH1 "M3" MTH_M3#1 5,5 r0 top
MTH2 "M3" MTH_M3#2 95,5 r0 top
MTH3 "M3" MTH_M3#2 15,96 r0 top
MTH4 "M3" MTH_M3#2 85,96 r0 top
Q1 "SI2369DS-T1-GE3" TRX_PMOS_SI2369DS-T1-GE3 29.686,16.373 r90 top
Q2 "BSS138LT1G" TRX_NMOS_BSS138LT1G#1 17.233,10.765 r90 top
Q3A "BSS138LT1G" TRX_NMOS_BSS138LT1G#1 3.175,69.172 r180 top (schematic designator Q3)
Q3B "BSS138LT1G" TRX_NMOS_BSS138LT1G#1 36.168,69.186 r180 top (schematic designator Q3)
Q3C "BSS138LT1G" TRX_NMOS_BSS138LT1G#1 69.161,69.186 r180 top (schematic designator Q3)
Q4A "BSS138LT1G" TRX_NMOS_BSS138LT1G#2 28.4,69.171 r180 top (schematic designator Q4)
Q4B "BSS138LT1G" TRX_NMOS_BSS138LT1G#2 61.393,69.185 r180 top (schematic designator Q4)
Q4C "BSS138LT1G" TRX_NMOS_BSS138LT1G#2 94.386,69.185 r180 top (schematic designator Q4)
Q5 "BSS138LT1G" TRX_NMOS_BSS138LT1G#2 26.901,27.342 r180 top
Q6 "BSS138LT1G" TRX_NMOS_BSS138LT1G#2 30.809,27.342 r0 top
Q7A "BSS138LT1G" TRX_NMOS_BSS138LT1G#1 14.647,64.189 r90 top (schematic designator Q7)
Q7B "BSS138LT1G" TRX_NMOS_BSS138LT1G#1 47.64,64.202 r90 top (schematic designator Q7)
Q7C "BSS138LT1G" TRX_NMOS_BSS138LT1G#1 80.635,64.348 r90 top (schematic designator Q7)
Q8A "BSS138LT1G" TRX_NMOS_BSS138LT1G#1 10.024,64.189 r90 top (schematic designator Q8)
Q8B "BSS138LT1G" TRX_NMOS_BSS138LT1G#1 43.017,64.202 r90 top (schematic designator Q8)
Q8C "BSS138LT1G" TRX_NMOS_BSS138LT1G#1 76.011,64.202 r90 top (schematic designator Q8)
R1 "ERJ-2RKF4750X" RES_0402#1 61.585,19.85 r0 top value=475R
R2 "ERJ-2RKF4750X" RES_0402#1 61.585,18.783 r0 top value=475R
R3 "RC0402FR-071KL" RES_0402#1 61.585,17.706 r0 top value=1k
R4 "RC0402FR-07100KL" RES_0402#2 5.401,59.271 r0 top value=100k
R5 "ERJ-2RKF4750X" RES_0402#1 50.514,17.855 r0 top value=475R
R6 "RC0402FR-07100KL" RES_0402#2 5.401,56.587 r0 top value=100k
R7 "RC0402FR-07100KL" RES_0402#2 3.432,56.587 r0 top value=100k
R8 "RC0402FR-071KL" RES_0402#1 41.103,32.18 r0 top value=1k
R9 "RC0402FR-07150RL" RES_0402#2 39.582,35.196 r90 top value=150R
R10 "RC0402FR-07100KL" RES_0402#1 17.957,8.036 r0 top value=100k
R11 "RC0402FR-071KL" RES_0402#1 46.681,5.648 r270 top value=1k
R12 "RC0402FR-071KL" RES_0402#1 28.852,10.145 r0 top value=1k
R13 "RC0402FR-0710KL" RES_0402#1 17.935,6.944 r0 top value=10k
R14 "RC0402FR-0710KL" RES_0402#1 17.933,5.868 r180 top value=10k
R15 "RC0402FR-0747KL" RES_0402#2 48.303,13.586 r0 top value=47k
R16 "RC0402FR-07100KL" RES_0402#2 13.296,60.757 r90 top value=100k
R17 "RC0402FR-07100KL" RES_0402#2 14.388,60.744 r270 top value=100k
R18 "RMCF0402FT10R0" RES_0402#2 84.976,33.357 r90 top value=10R
R19 "RMCF0402FT10R0" RES_0402#2 88.177,33.395 r90 top value=10R
R20 "RC0402FR-07100KL" RES_0402#2 3.43,57.591 r180 top value=100k
R21 "RC0402FR-07100KL" RES_0402#2 41.722,14.909 r180 top value=100k
R22 "RC0402FR-071KL" RES_0402#2 48.303,12.493 r180 top value=1k
R23 "ERJ-2RKF4750X" RES_0402#1 50.514,18.978 r0 top value=475R
R24 "RC0402FR-07100KL" RES_0402#2 43.119,16.001 r0 top value=100k
R25 "ERJ-2RKF4750X" RES_0402#1 49.451,5.65 r90 top value=475R
R26 "RC0402FR-0715KL" RES_0402#2 47.858,16.521 r270 top value=15k
R27 "RC0402FR-071KL" RES_0402#1 39.124,44.843 r0 top value=1k
R28 "RC0402FR-071KL" RES_0402#1 39.124,43.516 r0 top value=1k
R29 "RC0402FR-07100KL" RES_0402#2 9.047,47.054 r0 top value=100k
R30 "RC0603JR-070RL" RES_0603 9.707,3.699 r90 top value=0R
R31 "RC0402FR-07100RP" RES_0402#2 38.353,48.807 r180 top value=100R
R32 "RC0402FR-07100RP" RES_0402#2 38.328,49.906 r180 top value=100R
R33 "ERJ-2RKF4750X" RES_0402#1 50.514,20.1 r0 top value=475R
R34 "RC0402FR-07100KL" RES_0402#2 5.399,60.275 r180 top value=100k
R35 "RC0402FR-07100KL" RES_0402#2 9.715,61.385 r0 top value=100k
R36 "RC0402FR-07100KL" RES_0402#2 12.249,60.757 r90 top value=100k
R37 "RC0402FR-07100RP" RES_0402#2 38.353,51.046 r180 top value=100R
R38 "RC0402FR-071KL" RES_0402#2 41.109,26.112 r0 top value=1k
R39 "RC0402FR-07150RL" RES_0402#2 39.597,29.164 r90 top value=150R
R40 "ERJ-2RKF4750X" RES_0402#2 21.764,40.845 r180 top value=475R
R41 "RC0402FR-0749R9L" RES_0402#2 80.698,25.291 r270 top value=49R9
R42 "RC0402FR-0749R9L" RES_0402#2 79.645,25.291 r270 top value=49R9
R43 "RC0402FR-0749R9L" RES_0402#2 82.806,25.291 r270 top value=49R9
R44 "RC0402FR-0749R9L" RES_0402#2 81.752,25.291 r270 top value=49R9
R45 "RC0402FR-071K5L" RES_0402#2 78.166,32.863 r180 top value=1k5
R46 "ERJ-2RKF4750X" RES_0402#2 21.738,38.71 r180 top value=475R
R47 "RMCF0402FT10R0" RES_0402#2 78.166,35.94 r180 top value=10R
R48 "RMCF0402FT10R0" RES_0402#2 78.166,31.837 r180 top value=10R
R49 "RC0402FR-07270RL" FER_0402 72.045,2.325 r90 top value=270
R50 "RC0402FR-0712K1L" RES_0402#2 83.859,25.292 r90 top value=12k1
R51 "RC0402FR-07270RL" FER_0402 72.045,4.279 r270 top value=270
R52 "RC0402FR-0712KL" RES_0402#2 11.01,52.26 r180 top value=12k
R53 "RC0402FR-0710KL" RES_0402#2 83.96,33.357 r90 top value=10k
R54 "RC0402FR-07100RP" RES_0402#2 38.353,52.156 r180 top value=100R
R55 "RC0402FR-07100RP" RES_0402#2 38.349,54.226 r180 top value=100R
R56 "RC0402FR-07100RP" RES_0402#2 38.349,55.238 r180 top value=100R
R57 "RC0402FR-07100RP" RES_0402#2 38.349,56.238 r180 top value=100R
R58 "RC0402FR-0710KL" RES_0402#2 87.11,33.369 r90 top value=10k
R59 "RC0402FR-0710KL" RES_0402#2 21.738,41.913 r180 top value=10k
R60 "RC0402FR-0710KL" RES_0402#2 78.166,33.889 r180 top value=10k
R61 "RC0402FR-0710KL" RES_0402#2 92.091,30.227 r90 top value=10k
R62 "RC0402FR-07100RP" RES_0402#2 38.349,57.147 r180 top value=100R
R63 "RC0402FR-071KL" RES_0402#2 21.764,39.777 r180 top value=1k
R64 "RC0402FR-07100KL" RES_0402#1 66.693,18.183 r0 top value=100k
R65 "RC0402FR-0710KL" RES_0402#2 21.311,52.211 r180 top value=10k
R66 "RC0402FR-0710KL" RES_0402#2 40.925,38.046 r0 top value=10k
R67 "RC0402FR-0710KL" RES_0402#2 17.253,48.909 r180 top value=10k
R68 "RC0402FR-0710KL" RES_0402#2 19.309,54.47 r0 top value=10k